# KiCad board AMC_FMC_Carrier-PcbDoc.kicad_pcb (continued)
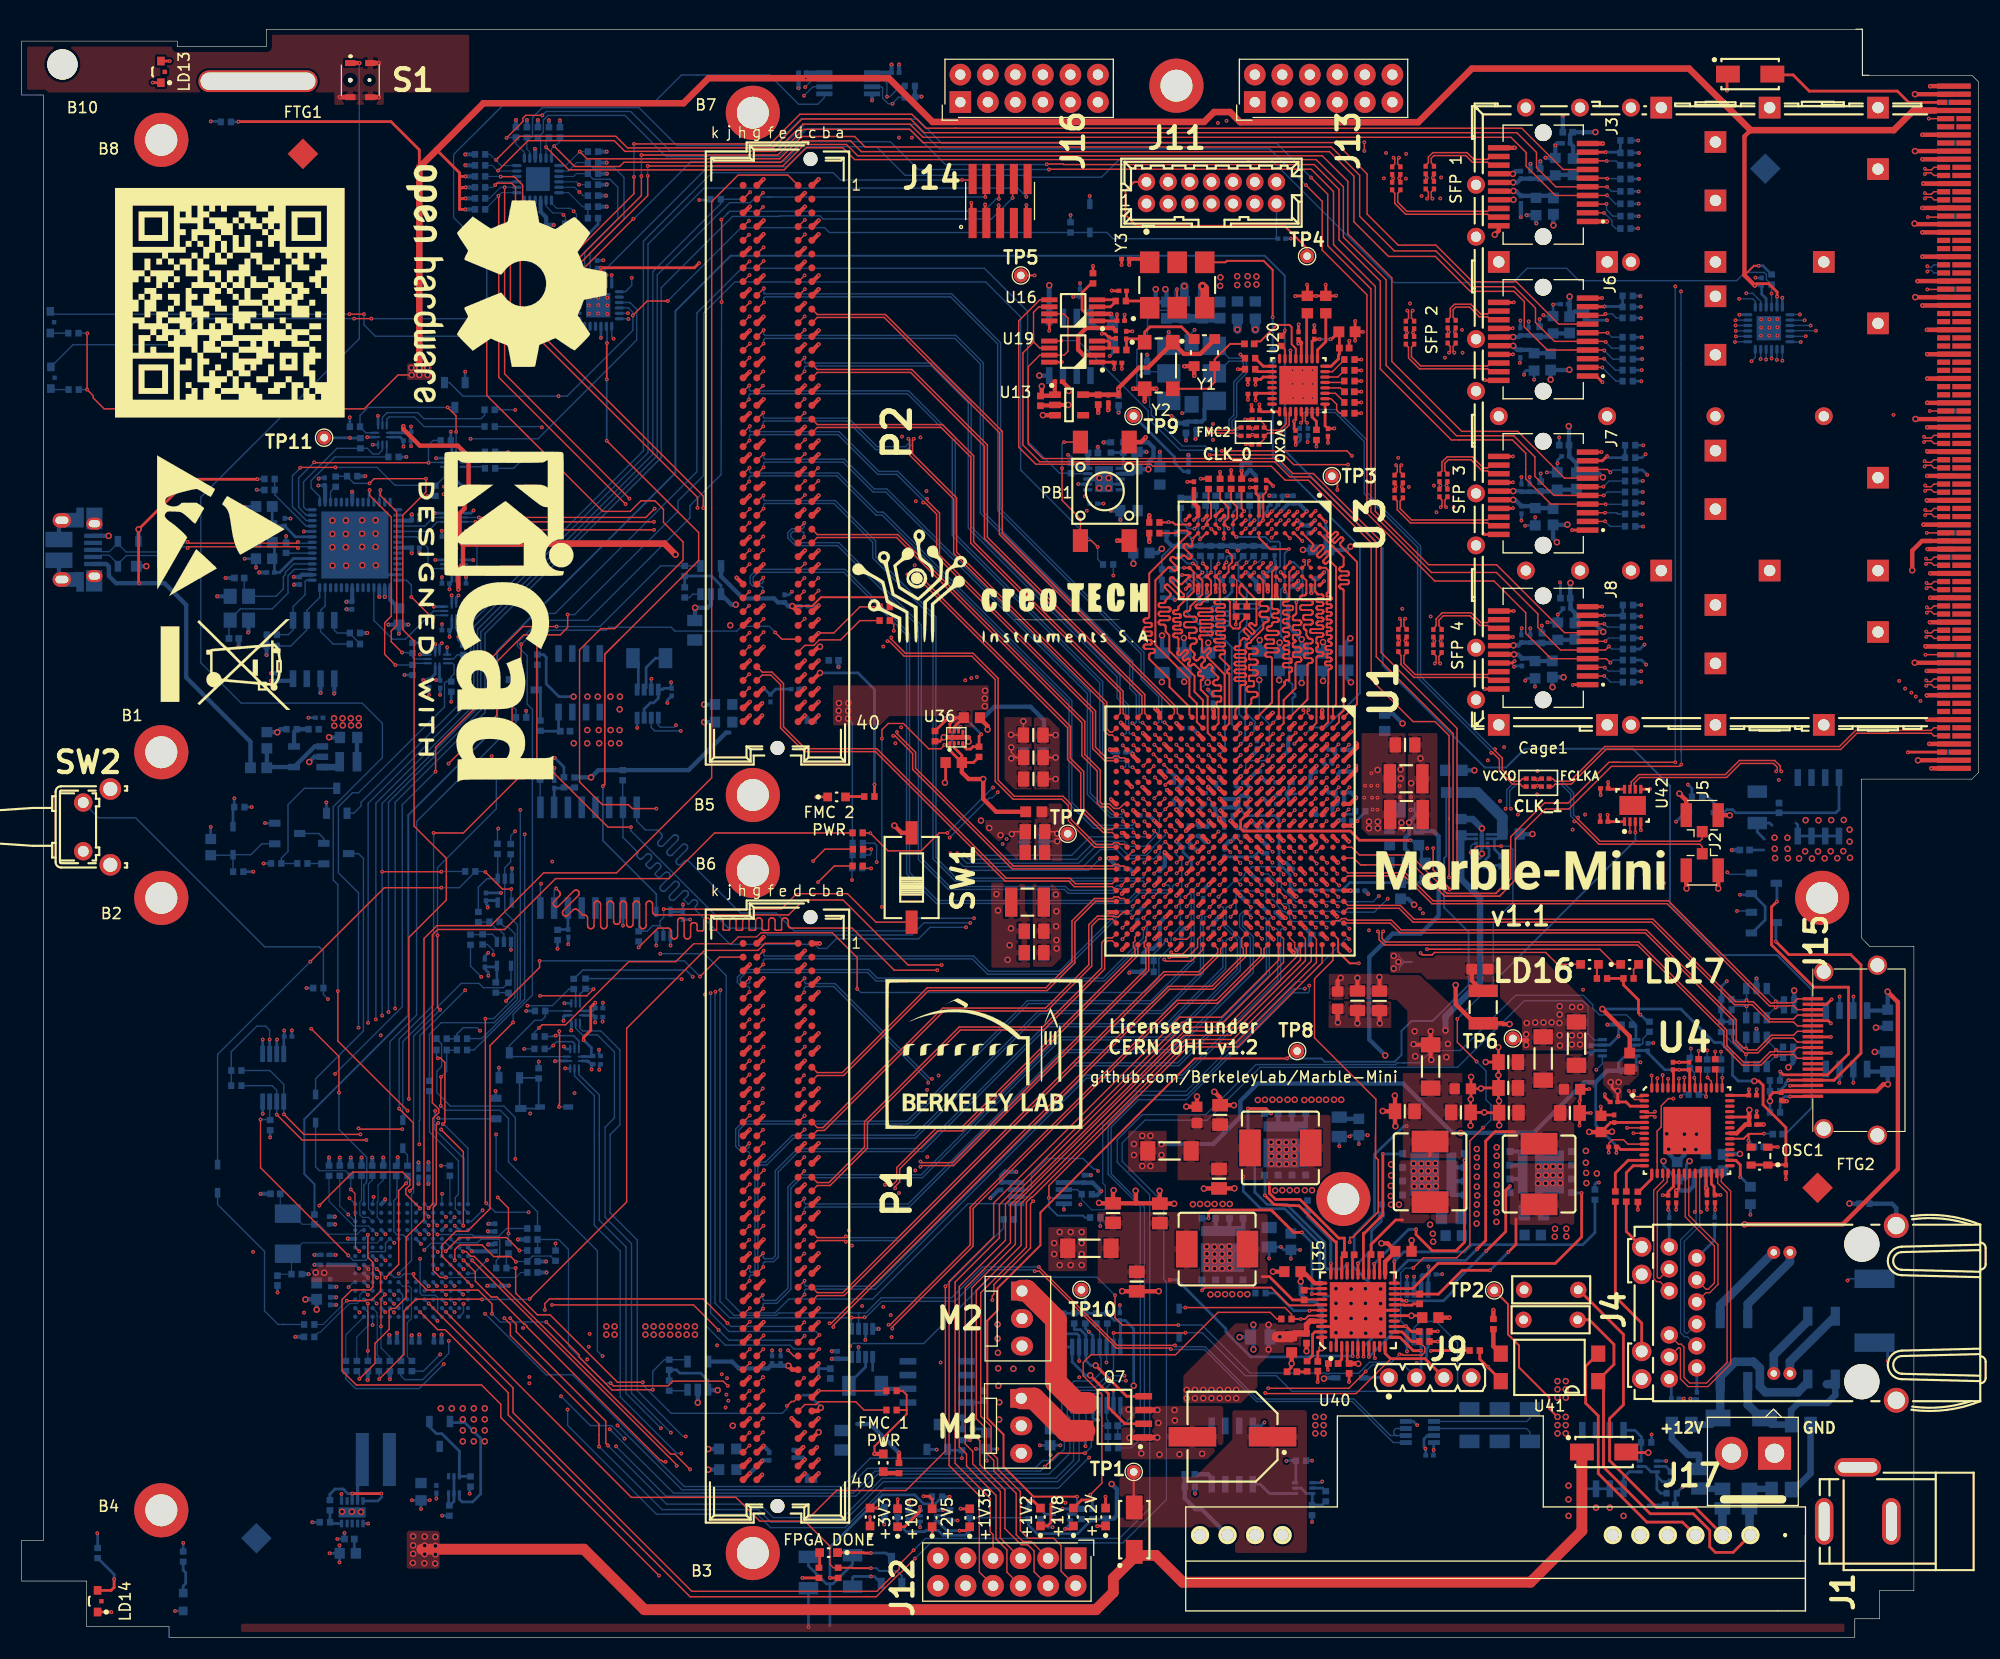
[diagram p0: board, top side]
## Routing (per net, layer and track width the routed paths; a pad name or vN(x,y) marks a point on that pad's centre or on a via; arc(x,y) is an arc through that point) (continued)
/MMC/ISP_RSTn: length 25.2
  Bottom w0.127: D3.1 27.13,51.58 31.55,56 31.55,71.92 31.09,72.38 Q14.3
/MMC/LPC_ISPn: length 67.2
  Top w0.127: v1(40.77,38.01) 40.77,44.84 v1(38.71,46.9) ; v1(35.13,46.93) 31.17,46.93 v1(31.09,47)
  In2.Cu w0.127: v1(35.13,46.93) 35.15,46.9 v1(38.71,46.9) ; v1(31.09,56.3) v1(31.09,47)
  Bottom w0.127: U2.M13 40.39,38.39 v1(40.77,38.01) ; U24.5 39.77,89.95 39.92,89.8 39.92,88.98 39.64,88.7 39.64,88.28 39.2,88.28 39.03,88.1 39.03,85.93 31.09,77.99 30.53,77.99 29.23,76.69 29.23,70.6 31.09,68.74 v1(31.09,56.3)
/MMC/MMC_CONS_PROG_RxD: length 73.9
  In5.Cu w0.127: v1(32.38,28.84) 32.38,29.38 29.73,32.03 29.73,39.45 30.72,40.43 30.72,42.06 29.73,43.05 29.73,74.78 41.55,86.6 v1(41.55,94.4)
  Bottom w0.102: v1(32.38,28.84) 32.39,28.85 U2.A3
  Bottom w0.127: U2.A3 32.39,29.6 ; U25.5 41.53,94.38 v1(41.55,94.4)
/MMC/MMC_CONS_PROG_TxD: length 71.1
  In5.Cu w0.127: v1(41.91,94.78) 42.08,94.6 42.08,86.27 30.72,74.91 30.72,44.8 30.99,44.54 30.99,43.4 31.17,43.21 31.17,40.17 33.94,37.4 33.94,32.08 v1(34.39,31.64)
  Bottom w0.127: v1(34.39,31.64) 34.02,32.01 U2.D5 ; U25.4 v1(41.91,94.78)
/MMC/MMC_TRST: length 7.1
  Top w0.102: v1(33.16,28.71) 33.16,31.3 v1(33.53,31.66)
  Bottom w0.102: R139.1 33.98,25.92 33.16,26.74 v1(33.16,28.71)
  Bottom w0.127: v1(33.53,31.66) 33.19,32 U2.D4
/MMC/OVER_TEMP: length 163.4
  Top w0.127: v1(100.78,28.11) 107.4,28.11 v1(107.42,28.13) 107.51,28.13 ; v1(30.15,35.27) 22.05,43.37 v1(22.05,47.82)
  In2.Cu w0.127: v1(54.86,17.64) 54.43,18.07 51.56,18.07 46.28,23.35 v1(46.28,28.56)
  In5.Cu w0.127: v1(46.28,28.56) 37.01,28.56 36.41,29.16 36.41,30.15 34.39,32.18 v1(34.39,36.44)
  Bottom w0.127: v1(34.39,36.44) 34.02,36.81 U2.K5 33.58,36.4 33.58,35.68 33.52,35.62 32.22,35.62 31.98,35.37 31.98,35.04 31.76,34.82 30.6,34.82 v1(30.15,35.27) ; U28.3 22.89,47.82 R178.2 22.9,47.82 v1(22.05,47.82) ; v1(54.86,17.64) 59.46,13.04 76.99,13.04 79.02,15.07 94.82,15.07 96.75,17 96.75,20.31 96.51,20.55 96.51,22.31 97.3,23.1 99.1,23.1 100.77,24.77 U27.7 100.78,26.83 v1(100.78,28.11) ; D2.1 107.2,28.13 v1(107.42,28.13) 108.97,28.13 112.93,24.17 115.8,24.17 117.25,22.72 132.13,22.72 132.53,23.12 132.53,27.2 130.56,29.17 129.1,29.17 128.51,28.59 U29.3
/MMC/Pmod3_0: length 148.7
  In2.Cu w0.127: J16.1 84.63,141.77 82.93,143.48 72.5,143.48 72.48,143.5 72.15,143.5 72.13,143.48 60.35,143.48 54.93,138.05 54.93,137.57 53.91,136.55 53.3,136.55 49.49,132.73 49.49,123.85 49.03,123.4 49.03,107.95 44.69,103.61 44.69,86.68 40.89,82.88 40.89,60.25 40.57,59.93 40.57,59.58 40.84,59.3 40.84,38.62 40.4,38.18 40.4,36.97 40.11,36.68 40.11,35.53 39.59,35.02 39.59,32.06 v1(39.17,31.64)
  Bottom w0.127: v1(39.17,31.64) 38.8,32.01 U2.D11
/MMC/Pmod3_1: length 150.9
  In2.Cu w0.127: v1(40.78,30.8) 40.38,31.2 40.38,35.91 40.9,36.43 40.9,37.58 41.3,37.97 41.3,82.37 45.19,86.26 45.19,103.05 50.53,108.39 50.53,118.54 ; 50.53,118.54 50.53,122.64 50.13,123.04 50.13,124.44 50.56,124.87 50.56,129.21 54.31,132.97 54.31,133.2 58.61,137.5 61.61,137.5 ; 50.53,118.54 50.53,118.4 ; 61.61,137.5 69.29,137.5 72.9,141.11 83.74,141.11 85.39,139.46 88.32,139.46 89.18,140.32 J16.3 ; 61.61,137.5 61.47,137.5
  Bottom w0.127: v1(40.78,30.8) 40.78,30 U2.A13
/MMC/Pmod3_2: length 151.1
  In2.Cu w0.127: J16.5 88.85,138.9 85.19,138.9 83.54,140.55 72.97,140.55 69.51,137.09 60.59,137.09 50.96,127.47 50.96,118.8 ; 50.96,118.8 50.96,107.66 45.62,102.32 45.62,85.91 41.61,81.9 41.61,36.83 41.16,36.37 41.16,30.63 40.9,30.38 40.42,30.38 v1(39.98,30.82) ; 50.96,118.8 50.96,118.64
  Bottom w0.127: v1(39.98,30.82) 39.6,31.21 U2.C12
/MMC/Pmod3_3: length 153.4
  In2.Cu w0.127: v1(39.95,30.04) 41.63,30.04 41.94,30.35 41.94,33.36 41.87,33.43 41.87,33.75 41.94,33.83 41.94,81.49 46.62,86.16 46.62,102.39 51.35,107.11 51.35,126.97 61.07,136.69 69.8,136.69 73.05,139.94 83.44,139.94 84.84,138.54 91.03,138.54 J16.7
  Bottom w0.127: U2.B12 39.59,30.4 v1(39.95,30.04)
/MMC/Pmod3_4: length 142.3
  In2.Cu w0.127: 39.95,41.39 39.95,41.5 ; 39.95,41.39 v1(39.95,38.8) ; 39.95,41.39 39.95,60.24 40.08,60.36 40.08,83.46 43.85,87.24 43.85,104.76 47.6,108.51 47.6,123.52 47.79,123.71 47.79,132.56 51.88,136.65 51.88,137.29 59.49,144.91 86.04,144.91 J16.2
  Bottom w0.127: v1(39.95,38.8) 39.59,38.43 U2.M12
/MMC/Pmod3_5: length 151.8
  In2.Cu w0.127: v1(39.14,32.42) 38.8,32.76 38.8,33.68 39.25,34.14 39.25,35.14 39.61,35.5 39.61,38.19 39.86,38.43 40.13,38.43 40.44,38.74 40.44,59.35 40.31,59.47 40.31,60.03 40.54,60.26 40.54,83.12 44.25,86.83 44.25,104.2 48.58,108.53 48.58,128.15 48.78,128.35 48.78,129.12 48.59,129.31 48.59,132.69 60.27,144.37 84.01,144.37 85.26,143.12 87.99,143.12 J16.4
  Bottom w0.127: v1(39.14,32.42) 38.79,32.77 U2.E11
/MMC/Pmod3_6: length 154
  In2.Cu w0.127: 54.89,141.19 59.2,145.5 80.04,145.5 80.13,145.59 90.44,145.59 J16.6 ; 54.89,141.19 54.84,141.13 ; 54.89,141.19 47.03,133.33 47.03,108.84 43.38,105.19 43.38,87.6 39.76,83.98 39.76,80.51 39.71,80.46 39.71,39.18 39.53,39 39.53,38.46 39.39,38.33 39,38.33 38.77,38.09 38.77,34.41 v1(38.38,34.02)
  Bottom w0.127: v1(38.38,34.02) 38,34.41 U2.G10
/MMC/Pmod3_7: length 163.7
  In2.Cu w0.127: 39.09,78.8 39.09,79.36 ; 39.09,78.8 39.09,80.45 39.03,80.51 39.03,83.92 39.23,84.12 ; 39.09,78.8 39.09,47.73 39.25,47.57 39.25,42.83 35.61,39.19 35.61,32.07 34.73,31.19 34.22,31.19 33.88,30.85 v1(33.55,30.85) ; J16.8 92.48,146.09 58.88,146.09 46.24,133.45 46.24,129.19 46.01,128.97 46.01,108.65 42.93,105.56 42.93,87.81 39.23,84.12 ; 39.23,84.12 39.15,84.04
  Bottom w0.102: v1(33.55,30.85) 33.39,31.01 33.39,31.01 U2.C4
/MMC/SW: length 148.6
  Top w0.127: v1(29.18,59.68) 29.18,55.06 v1(35.62,48.63) ; v1(39.17,33.24) 38.63,33.24 37.99,33.87 37.99,39.7 38.27,39.98 38.27,47.32 v1(38.45,47.5)
  Top w0.4: v1(31.17,145.38) 31.16,145.38 S1.1
  In2.Cu w0.127: v1(35.62,48.63) 36.75,47.5 v1(38.45,47.5)
  Bottom w0.102: v1(39.17,33.24) 39.41,33.24 39.42,33.23 45.61,33.23 46.07,33.69 R143.2
  Bottom w0.127: U2.F11 38.8,33.61 v1(39.17,33.24) ; v1(31.17,145.38) 31.17,119.93 16.53,105.3 16.53,90 20.27,86.27 31.42,86.27 33.3,84.39 33.3,81.24 28.75,76.69 28.75,69.94 29.18,69.51 v1(29.18,59.68)
/MMC_TCK: length 148
  Top w0.127: v1(88.95,133.01) 88.92,133.03 88.92,134.58
  In2.Cu w0.127: v1(31.95,31.64) 33.16,32.84 33.16,33.86 33.13,33.89 33.13,37.49 33.01,37.61 33.01,44.77 33.86,45.62 v1(33.86,57.75)
  Bottom w0.102: U2.D2 31.21,31.63 31.21,31.07 30.97,30.83 30.27,30.83 29.57,30.13 29.52,30.13 27.55,28.16 27.4,28.16 27.01,27.77 R137.1
  Bottom w0.127: U2.D2 31.59,32 v1(31.95,31.64) ; 38.41,81.67 33.86,77.11 v1(33.86,57.75) ; 38.41,81.67 38.35,81.61 ; 38.41,81.67 42.38,85.64 42.38,92.85 58.66,109.13 58.66,125.81 65.34,132.48 67.24,132.48 67.77,133.01 69.24,133.01 ; v1(88.95,133.01) 69.24,133.01 ; 69.24,133.01 68.77,133.01
/MMC_TDI: length 143.3
  Top w0.127: 91.46,134.58 v1(91.46,132.93)
  In2.Cu w0.127: v1(32.77,30.82) 32.77,31.79 33.94,32.97 33.94,33.39 33.93,33.4 33.93,34.63 33.94,34.63 33.94,34.99 33.93,35 33.93,37.04 33.94,37.05 33.94,37.4 33.93,37.41 33.93,44.1 34.47,44.64 v1(34.47,58.08)
  Bottom w0.127: v1(32.77,30.82) 32.39,31.2 U2.C3 ; 63.25,128.85 59.03,124.62 59.03,108.94 53.64,103.56 ; 63.25,128.85 63.19,128.79 ; 63.25,128.85 65.62,131.21 69.93,131.21 69.98,131.26 73.68,131.26 73.97,130.97 89.51,130.97 v1(91.46,132.93) ; 53.64,103.56 42.76,92.67 42.76,85.39 34.47,77.1 v1(34.47,58.08) ; 53.64,103.56 53.49,103.4
/MMC_TDO: length 147.1
  Top w0.127: v1(64.6,123.3) 64.6,130.9 v1(64.58,130.92) ; v1(38.38,64.83) 38.38,58.21 v1(38.62,57.96) ; v1(45.26,80.86) 45.26,88.81 46.1,89.65 v1(46.1,91.71) ; 90.19,134.58 v1(90.19,132.83)
  In2.Cu w0.127: v1(31.19,30.01) 32.49,30.01 33.19,30.7 33.19,31.02 33.46,31.3 33.7,31.3 34.03,31.62 34.03,32.34 34.8,33.11 v1(34.8,33.59)
  Bottom w0.127: v1(31.19,30.01) 30.79,30.41 U2.B1 ; 65.11,131.45 65.19,131.53 65.2,131.53 65.15,131.48 ; 65.11,131.45 65.34,131.69 88.8,131.69 89.94,132.83 v1(90.19,132.83) ; 65.11,131.45 v1(64.58,130.92) ; v1(46.1,91.71) 46.13,91.71 48.34,93.92 52.22,93.92 61.68,103.38 61.68,104.51 64.55,107.38 v1(64.6,123.3) ; 34.77,33.59 35.98,34.8 35.98,40.87 36.17,41.06 36.17,55.52 v1(38.62,57.96) ; v1(38.38,64.83) 38.38,71.08 43.81,76.52 43.81,79.41 v1(45.26,80.86)
/MMC_TMS: length 148.9
  Top w0.102: v1(31.95,26.45) v1(31.95,30.82)
  Top w0.127: 87.65,134.58 86.8,134.58 v1(86.79,134.58)
  In2.Cu w0.127: v1(31.95,30.82) 31.95,31.09 31.59,31.46 31.59,31.81 31.6,31.82 31.6,36.99 31.59,37 31.59,43.97 31.99,44.38 31.99,44.49 33.15,45.64 v1(33.15,55.59)
  In5.Cu w0.127: v1(31.98,56.76) v1(33.15,55.59)
  Bottom w0.102: v1(31.95,26.45) R140.1
  Bottom w0.127: v1(31.95,30.82) 31.59,31.19 U2.C2 ; v1(86.79,134.58) 75.58,134.58 74.9,135.25 63.72,135.25 57.39,128.93 57.39,109.59 41.46,93.66 41.46,86.5 31.98,77.01 v1(31.98,56.76)
/PMOD/Pmod1_0: length 77.5
  Top w0.127: U1.C18 120.44,67.55 v1(120.44,67.55)
  In2.Cu w0.127: v1(96.34,12.43) 96.95,13.04 96.95,23.86 99.62,26.53 99.62,37.05 97.26,39.41 97.26,41.87 106.23,50.85 112.63,50.85 121.13,59.35 121.13,66.04 121.03,66.15 121.03,66.96 v1(120.44,67.55)
  In5.Cu w0.127: v1(96.34,12.43) 97.28,11.49 J12.1
/PMOD/Pmod1_1: length 75.2
  Top w0.127: 118.87,62.29 111.78,55.21 107.39,55.21 92.25,40.07 92.25,36.19 88.11,32.05 88.11,20.19 89.04,19.27 89.04,17.02 89.72,16.33 89.72,15.37 91.79,13.3 91.79,9.49 92.43,8.85 93.19,8.85 J12.3
  Top w0.13: U1.D22 119.03,62.45 118.87,62.29
/PMOD/Pmod1_2: length 74.2
  Top w0.127: 117.86,62.37 111.48,55.99 107.31,55.99 91.26,39.94 91.26,36.44 87.09,32.27 87.09,25.41 ; 87.09,25.62 87.09,25.41 ; 87.09,25.41 87.09,17.86 87.78,17.17 87.78,16.03 90.33,13.47 90.33,9.17 J12.5
  Top w0.13: 117.86,62.37 118.03,62.54 U1.E22
/PMOD/Pmod1_3: length 74.1
  Top w0.127: U1.G21 116.47,64.52 116.47,62.33 110.95,56.81 107.09,56.81 90.25,39.97 90.25,36.89 86.16,32.8 86.16,16.07 89.38,12.84 89.38,9.77 89.66,9.49 J12.7
/PMOD/Pmod1_4: length 81
  Top w0.127: J12.2 95.93,6.11 95.93,8.47 95.25,9.16 92.89,9.16 92.18,9.87 92.18,13.46 90.07,15.57 90.07,16.5 89.48,17.08 89.48,19.47 88.52,20.43 88.52,31.81 92.73,36.03 92.73,40.18 93.2,40.64 93.29,40.64 107.5,54.85 112.04,54.85 119.3,62.12
  Top w0.13: U1.D21 119.51,64.48 119.51,62.32 119.3,62.12
/PMOD/Pmod1_5: length 79
  Top w0.127: J12.4 93.45,6.06 93.45,7.96 92.86,8.55 92.25,8.55 90.75,10.05 90.75,13.64 88.44,15.95 88.44,18.15 87.68,18.91 87.68,32.26 91.72,36.3 91.72,40.04 107.27,55.59 111.58,55.59 118.26,62.27
  Top w0.13: 118.26,62.27 118.49,62.5 118.49,64.5 U1.E21
/PMOD/Pmod1_6: length 78.2
  Top w0.127: J12.6 90.93,6.03 90.93,8.09 89.93,9.09 89.93,13.12 87.21,15.84 87.21,16.92 86.54,17.59 86.54,32.4 90.8,36.66 90.8,40.02 107.14,56.35 111.17,56.35 117.78,62.95 117.78,63.39 117.5,63.67 117.5,64.14 117.03,64.61 U1.F21
/PMOD/Pmod1_7: length 76.2
  Top w0.127: 91.34,41.72 91.29,41.67 ; 91.34,41.72 106.88,57.26 110.74,57.26 116.03,62.55 U1.G22 116.03,63.61 116.03,63.6 ; 91.34,41.72 89.71,40.09 89.71,36.97 85.6,32.85 85.6,15.87 88.39,13.08 88.39,6.03 J12.8
/PMOD/Pmod2_0: length 89.2
  Top w0.127: U1.F13 117.45,72.54 v1(117.47,72.54)
  In5.Cu w0.127: J13.1 113.82,140.64 124.41,130.05 124.41,112.64 121.94,110.17 121.94,103.92 123.95,101.92 123.95,88.68 130.15,82.49 130.15,76.11 127.05,73.01 117.95,73.01 v1(117.47,72.54)
/PMOD/Pmod2_1: length 88.7
  Top w0.127: U1.C14 120.47,71.52 v1(120.5,71.52)
  In5.Cu w0.127: J13.3 116.36,139.38 125.14,130.59 125.14,112.33 123.57,110.76 123.57,104.33 125.17,102.73 125.17,89.65 131.6,83.22 131.6,73.98 ; v1(120.5,71.52) 120.92,71.95 121.74,71.95 122.1,71.59 129.21,71.59
  In5.Cu w0.15: 129.21,71.59 129.66,71.59 131.6,73.53 131.6,73.98
/PMOD/Pmod2_2: length 89
  Top w0.127: v1(120.42,70.51) 120.42,70.57 U1.C15
  In5.Cu w0.127: 132.41,73.95 132.38,83.48 125.75,90.11 125.75,103.09 124.38,104.46 124.38,110.58 125.81,112 125.81,131 118.9,137.91 J13.5 ; 129.63,70.89 120.8,70.89 v1(120.42,70.51)
  In5.Cu w0.15: 132.41,73.95 132.41,73.25 130.05,70.89 129.63,70.89
/PMOD/Pmod2_3: length 90.6
  Top w0.127: U1.D16 119.05,69.96 v1(119.51,69.51)
  In5.Cu w0.127: 133.17,77.15 133.17,83.86 126.36,90.66 126.36,103.34 125.17,104.53 125.17,110.12 126.42,111.37 126.42,131.41 121.44,136.38 J13.7 ; 133.17,77.15 133.17,77.08 ; 133.17,77.15 133.17,73.19 129.86,69.88 120.94,69.88 ; 120.94,69.88 121.14,69.88 ; 120.94,69.88 119.88,69.88 v1(119.51,69.51)
/PMOD/Pmod2_4: length 94.1
  Top w0.127: U1.F14 117.42,71.57 v1(117.42,71.55)
  In5.Cu w0.127: v1(117.42,71.55) 118.01,71.55 118.65,72.2 119.76,72.2 ; J13.2 115.01,143.12 115.01,140.17 124.76,130.42 124.76,112.46 122.38,110.07 122.38,108.85 122.82,108.4 122.82,104.09 124.56,102.35 124.56,89.24 130.91,82.89 130.91,74.64 128.81,72.55
  In5.Cu w0.15: 128.81,72.55 128.71,72.45 120.11,72.45 119.86,72.2 119.76,72.2
/PMOD/Pmod2_5: length 95.2
  Top w0.127: v1(117.58,70.42) 117.04,70.96 U1.F15
  In5.Cu w0.127: 123.89,71.14 124.02,71.14 ; 123.89,71.14 129.27,71.14 ; 123.89,71.14 120.31,71.14 120.29,71.12 118.27,71.12 v1(117.58,70.42) ; 132.01,73.95 132.03,83.35 125.48,89.9 125.48,102.88 123.98,104.38 123.98,110.65 125.48,112.15 125.48,130.82 117.55,138.75 117.55,143.12 J13.4
  In5.Cu w0.15: 129.27,71.14 129.71,71.14 132.01,73.45 132.01,73.95
/PMOD/Pmod2_6: length 95.6
  Top w0.127: U1.F16 117.05,69.96 v1(117.5,69.51)
  In5.Cu w0.127: v1(117.5,69.51) 118.12,70.13 121.88,70.13 122.19,70.45 129.95,70.45 130.36,70.87 ; 130.23,70.73 130.36,70.87 ; 130.36,70.87 132.79,73.29 132.79,83.71 126.08,90.41 126.08,103.24 124.71,104.61 124.71,110.3 126.08,111.67 126.08,131.23 120.09,137.23 120.09,143.12 J13.6
/PMOD/Pmod2_7: length 94.9
  Top w0.127: U1.E16 118.46,69.53 v1(118.46,69.52)
  In5.Cu w0.127: v1(118.46,69.52) 118.92,69.07 122.23,69.07 122.52,69.35 130,69.35 133.55,72.91 133.55,84.09 126.67,90.97 126.67,103.62 125.58,104.71 125.58,109.94 126.8,111.16 126.8,131.51 122.63,135.68 122.63,143.12 J13.8
/Power/Power_SW/EN_1V2: length 61.3
  Top w0.127: v1(133.76,72.48) 134.34,73.06 v1(136.55,73.06) ; v1(134.89,47.07) 133.67,45.85 133.67,36.25 132.46,35.04 129.37,35.04 v1(128.45,34.11) ; v1(132.51,57.11) 132.51,54.95 v1(134.29,53.17)
  Top w0.254: R167.2 128.26,28.25 127.8,28.71 U35.14
  Bottom w0.127: v1(132.51,57.11) 135.83,60.43 135.83,66.04 137.64,67.86 137.64,72.76 137.34,73.06 v1(136.55,73.06) ; v1(133.76,72.48) 133.76,73.06 133.94,73.24 134.25,73.24 U37.6 ; v1(134.89,47.07) 135.61,47.79 135.61,49.19 135.16,49.64 135.16,52.3 v1(134.29,53.17) ; v1(127.77,28.74) 127.28,29.23 127.28,33.67 127.71,34.1 128.43,34.1 v1(128.45,34.11)
/Power/Power_SW/EN_1V8: length 156.7
  Top w0.127: R157.2 129,27.3 129.5,26.81 129.5,26.31 129.25,26.06 127.5,26.06 127.42,26.14 v1(127.18,26.14) ; v1(100.91,31.58) 100.91,29.53 101.6,28.84 v1(106.76,28.84) ; v1(85.17,82.41) 85.17,82.38 84.84,82.05 83.72,82.05 81.38,84.39 79.98,84.39 79.4,83.81 v1(79.4,82.99)
  Top w0.254: v1(86.65,84.08) 86.47,83.9 U36.6 ; U35.13 127.41,28.21 128.29,27.32 R157.2
  In2.Cu w0.127: v1(79.4,67.45) 79.4,65.47 74.01,60.08 70.2,60.08 68.99,58.86 66.75,58.86 64.52,56.63 64.52,28.7 64.8,28.41 64.8,25.76 65.61,24.96 69.06,24.96 69.87,25.77 73.79,25.77 74.23,25.33 74.89,25.33 76.45,26.89 v1(76.45,26.89)
  Bottom w0.127: v1(106.76,28.84) 108.94,28.84 113.37,24.41 120.33,24.41 120.41,24.34 120.65,24.34 120.7,24.38 123.38,24.38 124.41,25.41 126.45,25.41 v1(127.18,26.14) ; v1(79.4,82.99) v1(79.4,67.45) ; v1(100.91,31.58) 99.24,33.26 89.38,33.26 83.25,27.13 77.71,27.13 77.69,27.15 76.72,27.15 v1(76.45,26.89)
  Bottom w0.254: v1(86.65,84.08) 86.4,84.08 85.9,83.58 85.9,82.84 85.47,82.41 v1(85.17,82.41)
/Power/Power_SW/PSS_XRP_BST1: length 1.7
  Top w0.178: U35.35 118.51,32.21 C147.1
/Power/Power_SW/PSS_XRP_BST2: length 1.8
  Top w0.254: C148.1 122.84,35.18 U35.29
/Power/Power_SW/PSS_XRP_BST3: length 1.8
  Top w0.254: U35.24 125.34,35.25 C149.1
/Power/Power_SW/PSS_XRP_BST4: length 2.4
  Top w0.254: C150.1 128.46,30.8 128.34,30.68 127.63,30.68 127.6,30.71 U35.18
/Power/Power_SW/PSS_XRP_GH1: length 18.1
  Top w0.178: U35.36 119.1,31.71 v1(119.09,31.7)
  Top w0.254: 115.34,39.46 115.62,39.18 ; 115.34,39.46 109.8,39.46 109.55,39.2 v1(109.55,38.7) ; 115.34,39.46 116.69,38.11 116.71,38.1 117.41,37.4 v1(118.16,37.4)
  Bottom w0.254: Q10.1 109.55,38.7 v1(109.55,38.7) ; v1(118.16,37.4) 118.34,37.22 118.34,37.2 119.09,36.45 v1(119.09,31.7)
/Power/Power_SW/PSS_XRP_GH2: length 24.8
  Top w0.254: v1(113.18,48.83) 114.86,48.83 v1(115.32,48.37) ; v1(122.35,34.48) 122.34,34.48 U35.30
  Bottom w0.254: v1(113.18,48.83) 113.18,45.76 113.82,45.12 113.82,41.11 114.96,39.97 116.81,39.97 116.81,39.92 120.29,36.45 120.29,34.2 120.47,34.02 121.89,34.02 v1(122.35,34.48) ; v1(115.32,48.37) 114.71,48.37 Q11.1
/Power/Power_SW/PSS_XRP_GH3: length 20.2
  Top w0.254: v1(133.17,44.06) 133.17,36.49 132.38,35.7 130.2,35.7 128.7,37.2 v1(128.7,37.68) ; v1(124.83,34.49) 124.84,34.48 U35.25
  Bottom w0.254: v1(133.17,44.06) 133.17,44.64 Q12.1 ; v1(128.7,37.68) 128.02,37.68 v1(124.83,34.49)
/Power/Power_SW/PSS_XRP_GH4: length 18.3
  Top w0.254: v1(127.82,31.08) 127.82,31.08 127.46,31.08 127.33,31.21 U35.19 ; v1(137.36,41.67) 136.98,41.29 136.98,37.48 v1(135.18,35.67)
  Bottom w0.254: v1(127.82,31.08) 131.23,31.08 132.18,32.03 132.18,32.68 v1(135.18,35.67) ; Q13.1 v1(137.36,41.67)
/Power/Power_SW/PSS_XRP_GL1: length 12.8
  Top w0.178: v1(108.95,32.04) 109.2,32.3 115.34,32.3 116.98,30.66 119.32,30.66 119.37,30.71 U35.38
  Bottom w0.178: v1(108.95,32.04) 108.95,32.99 Q10.8
/Power/Power_SW/PSS_XRP_GL2: length 13.2
  Top w0.254: v1(114.75,40.82) 115.6,39.97 117.91,39.85 121.23,36.52 121.34,36.52 U35.32
  Bottom w0.254: v1(114.75,40.82) 114.75,42.64 Q11.8
/Power/Power_SW/PSS_XRP_GL3: length 13.7
  Top w0.254: v1(125.63,44.64) 125.63,39.02 123.94,37.32 123.84,37.32 U35.27
  Bottom w0.254: Q12.8 127.43,44.64 v1(125.63,44.64)
/Power/Power_SW/PSS_XRP_GL4: length 24.3
  Top w0.254: v1(143.98,41.03) 143.98,36.96 141.55,34.53 130.72,34.53 128.4,32.21 U35.21
  Bottom w0.254: v1(143.98,41.03) 143.08,41.03 Q13.8
/Power/Power_SW/PSS_XRP_LX1: length 6.4
  Top w0.178: C147.2 118.41,31.21 U35.37
  Top w0.254: C147.2 117.32,31.16 115.17,33.31 114.5,33.31
  vias: v2(109.37,36.08) v2(109.4,35.42) v2(109.4,34.78) v2(109.4,34.07) v2(110.08,36.05) v2(110.11,35.39) v2(110.11,34.76) v2(110.11,34.05) v2(110.77,36.05) v2(110.79,35.39) v2(110.79,34.76) v2(110.79,34.05) v2(111.48,36.11) v2(111.51,35.45) v2(111.51,34.81) v2(111.51,34.1)
/Power/Power_SW/PSS_XRP_LX2: length 13
  Top w0.254: 115.16,41.95 115.16,41.01 115.73,40.45 117.98,40.45 121.56,36.87 122.09,36.87 C148.2 121.84,35.08 U35.31
  vias: v2(115.32,45.73) v2(115.34,45.07) v2(115.34,44.44) v2(115.34,43.73) v2(116.03,45.71) v2(116.05,45.05) v2(116.05,44.41) v2(116.05,43.7) v2(116.71,45.71) v2(116.74,45.05) v2(116.74,44.41) v2(116.74,43.7) v2(117.42,45.76) v2(117.45,45.1) v2(117.45,44.46) v2(117.45,43.75)
/Power/Power_SW/PSS_XRP_LX3: length 6.7
  Top w0.254: 127.46,38.54 126.82,38.54 124.55,36.27 C149.2 124.34,35.15 U35.26
  vias: v2(128.47,43.75) v2(128.47,43.07) v2(128.52,42.35) v2(128.52,41.64) v2(129.18,43.75) v2(129.18,43.07) v2(129.23,42.35) v2(129.23,41.64) v2(129.82,43.75) v2(129.82,43.07) v2(129.87,42.35) v2(129.87,41.64) v2(130.48,43.78) v2(130.48,43.09) v2(130.53,42.38) v2(130.53,41.67)
/Power/Power_SW/PSS_XRP_LX4: length 15.5
  Top w0.254: v1(137.21,35.57) 137.92,36.28 137.92,38.65 ; v1(135.53,33.9) 132.97,33.9 130.77,31.7 C150.2 129.01,31.71 U35.20
  Bottom w0.254: v1(135.53,33.9) v1(137.21,35.57)
  vias: v2(139.95,41.92) v2(139.98,43.45) v2(139.98,42.66) v2(140.69,43.47) v2(140.69,42.68) v2(140.66,41.92) v2(141.35,43.47) v2(141.35,42.68) v2(141.32,41.95) v2(142.01,43.47) v2(142.01,42.68) v2(142.01,41.95)
/Power/Power_SW/XR77129ILB_F_VOUT1: length 20.9
  Top w0.254: U35.5 122.84,25.98 v1(122.85,25.98)
  Bottom w0.254: v1(122.85,25.98) 118.93,25.98 118.85,25.9 113.46,25.9 111.15,28.21 111.15,28.49 107.74,31.91 106.65,33.01 v1(105.97,33.01)
/Power/Power_SW/XR77129ILB_F_VOUT2: length 25
  Top w0.254: v1(123.32,25.92) 123.34,25.93 U35.6
  Bottom w0.254: v1(112.75,42.56) 112.75,41.21 114.38,39.59 116.57,39.59 119.76,36.4 119.79,36.4 119.81,31.89 120.19,31.51 123.11,31.51 123.32,31.3 v1(123.32,25.92)
/Power/Power_SW/XR77129ILB_F_VOUT3: length 26.9
  Top w0.254: L19.2 130,44.54 129.92,44.46 ; v1(123.85,25.94) 123.84,25.95 U35.7
  Bottom w0.254: v1(123.85,25.94) 123.85,26.84 124.64,27.62 124.64,32.5 122.86,34.28 122.86,35.45 122.99,35.57 122.99,37.15 124.87,39.03 124.87,44.59 125.13,44.85 127.59,47.21 v1(127.84,47.21)
/Power/Power_SW/XR77129ILB_F_VOUT4: length 31.5
  Top w0.254: v1(134.34,35.85) 135.13,36.65 135.13,45.83 135.99,46.7 137.79,46.7 ; v1(124.35,25.89) 124.34,25.9 U35.8
  Bottom w0.254: v1(124.35,25.89) 126.77,28.31 126.77,33.62 127.96,34.81 133.29,34.81 v1(134.34,35.85)
/SDRAM/DDR3_A0: length 27.8
  Top w0.178: U1.L6 112.03,79.96 v1(112.52,80.45) ; 110.18,101.97 U3.N3 109.81,102.35 v1(109.8,102.35)
  In2.Cu w0.118: v1(109.8,102.35) 109.8,101.98 110.8,100.98 110.8,99.16 111.72,98.24 111.72,97.97 111.72,97.9 111.7,97.84 111.66,97.78 111.61,97.74 111.56,97.7 111.49,97.68 111.42,97.67 111.2,97.67 111.13,97.66 111.07,97.64 111.01,97.61 110.96,97.56 110.93,97.5 110.9,97.44 110.9,97.37 110.9,97.3 110.93,97.24 110.96,97.18 111.01,97.14 111.07,97.1 111.13,97.08 111.2,97.07 111.42,97.07 111.49,97.06 111.56,97.04 111.61,97.01 111.66,96.96 111.7,96.9 111.72,96.84 111.72,96.77 111.72,92.85 111.35,92.48 111.35,81.62 v1(112.52,80.45)
  Bottom w0.178: 109.42,104.29 109.42,102.73 v1(109.8,102.35)
/SDRAM/DDR3_A1: length 26.2
  Top w0.178: U3.P7 109.39,98.8 v1(109.02,99.17) ; v1(110.54,81.52) 110.54,81.45 U1.M5
  Bottom w0.178: v1(110.54,81.52) 111.06,82.04 111.06,91.12 107.58,94.61 107.58,96.36 107.92,96.71 107.95,96.74 107.97,96.78 107.98,96.83 107.98,96.87 107.97,96.92 107.95,96.96 107.92,96.99 107.54,97.37 107.51,97.41 107.5,97.45 107.49,97.49 107.49,97.54 107.5,97.58 107.51,97.62 107.54,97.65 107.58,97.68 107.62,97.7 107.66,97.71 107.71,97.71 107.75,97.7 107.79,97.68 107.83,97.65 108.48,97 108.52,96.97 108.56,96.95 108.6,96.94 108.64,96.94 108.68,96.95 108.72,96.97 108.76,97 108.77,97.01 108.79,97.04 108.81,97.08 108.82,97.12 108.82,97.16 108.81,97.21 108.79,97.25 108.77,97.28 108.11,97.94 108.08,97.97 108.06,98.01 108.05,98.06 108.05,98.1 108.06,98.15 108.08,98.19 108.11,98.22 108.14,98.25 108.18,98.27 108.23,98.28 108.27,98.28 108.32,98.27 108.36,98.25 108.39,98.22 108.77,97.84 108.81,97.81 108.85,97.79 108.89,97.78 108.94,97.78 108.98,97.79 109.02,97.81 109.05,97.84 109.41,98.2 109.41,98.78 v1(109.02,99.17) 109.02,99.64 R4.2
/SDRAM/DDR3_A2: length 28.5
  Top w0.178: U1.P6 109,79.96 v1(108.53,80.43) ; U3.P3 109.34,101.97 v1(108.76,101.39)
  In5.Cu w0.118: v1(108.76,101.39) 108.76,100.37 108.56,100.16 108.56,99.16 108.18,98.78 108.18,96.79 108.17,96.72 108.15,96.66 108.12,96.6 108.07,96.56 108.01,96.52 107.95,96.5 107.88,96.49 107.85,96.49 107.78,96.48 107.72,96.46 107.66,96.42 107.62,96.38 107.58,96.32 107.56,96.26 107.55,96.19 107.56,96.12 107.58,96.06 107.62,96 107.66,95.96 107.72,95.92 107.78,95.9 107.85,95.89 108.42,95.89 108.48,95.88 108.53,95.87 108.57,95.84 108.61,95.8 108.64,95.75 108.66,95.7 108.66,95.65 108.66,95.53 108.66,95.48 108.64,95.43 108.61,95.38 108.57,95.34 108.53,95.31 108.48,95.3 108.42,95.29 107.85,95.29 107.78,95.28 107.72,95.26 107.66,95.22 107.62,95.18 107.58,95.12 107.56,95.06 107.55,94.99 107.56,94.92 107.58,94.86 107.62,94.8 107.66,94.76 107.72,94.72 107.78,94.7 107.85,94.69 107.88,94.69 107.95,94.68 108.01,94.66 108.07,94.62 108.12,94.58 108.15,94.52 108.17,94.46 108.18,94.39 108.18,80.78 v1(108.53,80.43)
  Bottom w0.178: v1(108.76,101.39) 108.76,101.64 108.61,101.79 108.61,103.62 108.41,103.82 108.41,104.29
/SDRAM/DDR3_A3: length 27.5
  Top w0.178: U1.K6 113.03,79.97 v1(113.51,80.45) ; U3.N2 110.19,102.75 v1(110.54,102.4)
  In2.Cu w0.118: v1(113.51,80.45) 113.23,80.74 113.23,81.91 113.08,82.05 113.08,82.54 112.9,82.72 112.9,84.5 112.4,85 112.4,91.16 112.41,91.19 112.42,91.21 112.43,91.23 112.45,91.25 112.47,91.27 112.5,91.28 112.55,91.28 112.58,91.29 112.6,91.31 112.62,91.33 112.63,91.35 112.64,91.37 112.65,91.4 112.65,91.76 112.64,91.79 112.63,91.81 112.62,91.83 112.6,91.85 112.58,91.87 112.55,91.88 112.52,91.88 112.4,91.88 112.4,91.88 112.26,91.88 112.22,91.89 112.19,91.9 112.17,91.92 112.14,91.94 112.12,91.97 112.11,92 112.11,92.03 112.11,92.34 112.11,92.37 112.12,92.4 112.14,92.43 112.17,92.45 112.19,92.47 112.22,92.48 112.29,92.49 112.32,92.5 112.35,92.52 112.37,92.54 112.39,92.57 112.4,92.6 112.4,92.63 112.4,92.78 112.85,93.23 112.85,94.39 112.4,94.84 112.4,98.39 111.81,98.99 111.81,101.13 v1(110.54,102.4)
  Bottom w0.178: 110.39,104.29 110.25,104.16 110.25,102.69 v1(110.54,102.4)
/SDRAM/DDR3_A4: length 27.5
  Top w0.178: v1(109.78,98.34) 109.41,97.97 U3.P8 109.78,97.58 109.78,96.39 108.95,95.56 108.95,95.52 108.93,95.48 108.91,95.45 108.88,95.42 108.85,95.4 108.81,95.38 108.77,95.38 108.53,95.38 108.49,95.37 108.45,95.36 108.42,95.34 108.39,95.31 108.37,95.28 108.36,95.24 108.35,95.2 108.36,95.16 108.37,95.12 108.39,95.09 108.42,95.06 108.45,95.04 108.49,95.03 108.53,95.02 109.77,95.02 109.81,95.02 109.85,95.01 109.88,94.98 109.91,94.96 109.93,94.92 109.94,94.88 109.95,94.85 109.94,94.81 109.93,94.77 109.91,94.73 109.88,94.71 109.85,94.68 109.81,94.67 109.77,94.67 108.78,94.67 108.74,94.66 108.7,94.65 108.67,94.63 108.64,94.6 108.62,94.57 108.61,94.53 108.6,94.49 108.6,94.49 108.61,94.45 108.62,94.41 108.64,94.38 108.67,94.35 108.7,94.33 108.74,94.32 108.78,94.31 109.77,94.31 109.81,94.31 109.85,94.29 109.88,94.27 109.91,94.24 109.93,94.21 109.94,94.17 109.95,94.13 109.94,94.09 109.93,94.06 109.91,94.02 109.88,93.99 109.85,93.97 109.81,93.96 109.77,93.96 108.85,93.96 108.83,93.95 108.81,93.95 108.79,93.93 108.77,93.92 108.76,93.9 108.75,93.88 108.75,93.86 108.75,93.7 108.75,93.68 108.76,93.66 108.77,93.64 108.79,93.62 108.81,93.61 108.83,93.6 108.85,93.6 109.77,93.6 109.81,93.59 109.85,93.58 109.88,93.56 109.91,93.53 109.93,93.5 109.94,93.46 109.95,93.42 109.94,93.38 109.93,93.34 109.91,93.31 109.88,93.28 109.85,93.26 109.81,93.25 109.77,93.24 108.85,93.24 108.83,93.24 108.81,93.23 108.79,93.22 108.77,93.21 108.76,93.19 108.75,93.17 108.75,93.14 108.75,92.99 108.75,92.96 108.76,92.94 108.77,92.92 108.79,92.91 108.81,92.9 108.83,92.89 108.85,92.89 109.77,92.89 109.81,92.88 109.85,92.87 109.88,92.85 109.91,92.82 109.93,92.79 109.94,92.75 109.95,92.71 109.94,92.67 109.93,92.63 109.91,92.6 109.88,92.57 109.85,92.55 109.81,92.54 109.77,92.53 108.83,92.53 108.8,92.53 108.77,92.52 108.75,92.5 108.73,92.48 108.71,92.46 108.7,92.43 108.7,92.41 108.7,92.3 108.7,92.27 108.71,92.25 108.73,92.22 108.75,92.2 108.77,92.19 108.8,92.18 108.85,92.17 108.88,92.16 108.9,92.15 108.92,92.13 108.94,92.1 108.95,92.08 108.95,92.05 108.95,91.01 108.98,90.99 109.02,90.97 109.06,90.96 109.1,90.96 109.13,90.97 109.17,90.99 109.2,91.01 109.48,91.29 109.51,91.31 109.55,91.33 109.59,91.34 109.62,91.34 109.66,91.33 109.7,91.31 109.73,91.29 109.76,91.26 109.77,91.22 109.78,91.18 109.78,91.14 109.77,91.1 109.76,91.07 109.73,91.04 109.45,90.76 109.43,90.73 109.41,90.69 109.4,90.65 109.4,90.61 109.41,90.57 109.43,90.54 109.45,90.51 111.03,88.93 U1.M1